# Altium PCB PCB5_制版20140402.PcbDoc (part 5 of 5)
Units mil, origin at the board's own origin, x right, y up, seen from the top; angles counter-clockwise.
Board outline 4763.78 x 6574.87 mil, 6 copper layers (Top Layer, GND, ADDR, DATA, VCC, Bottom Layer), stack 80.842 mil thick; 385 components, 444 nets, 1700 pads, 1572 vias.
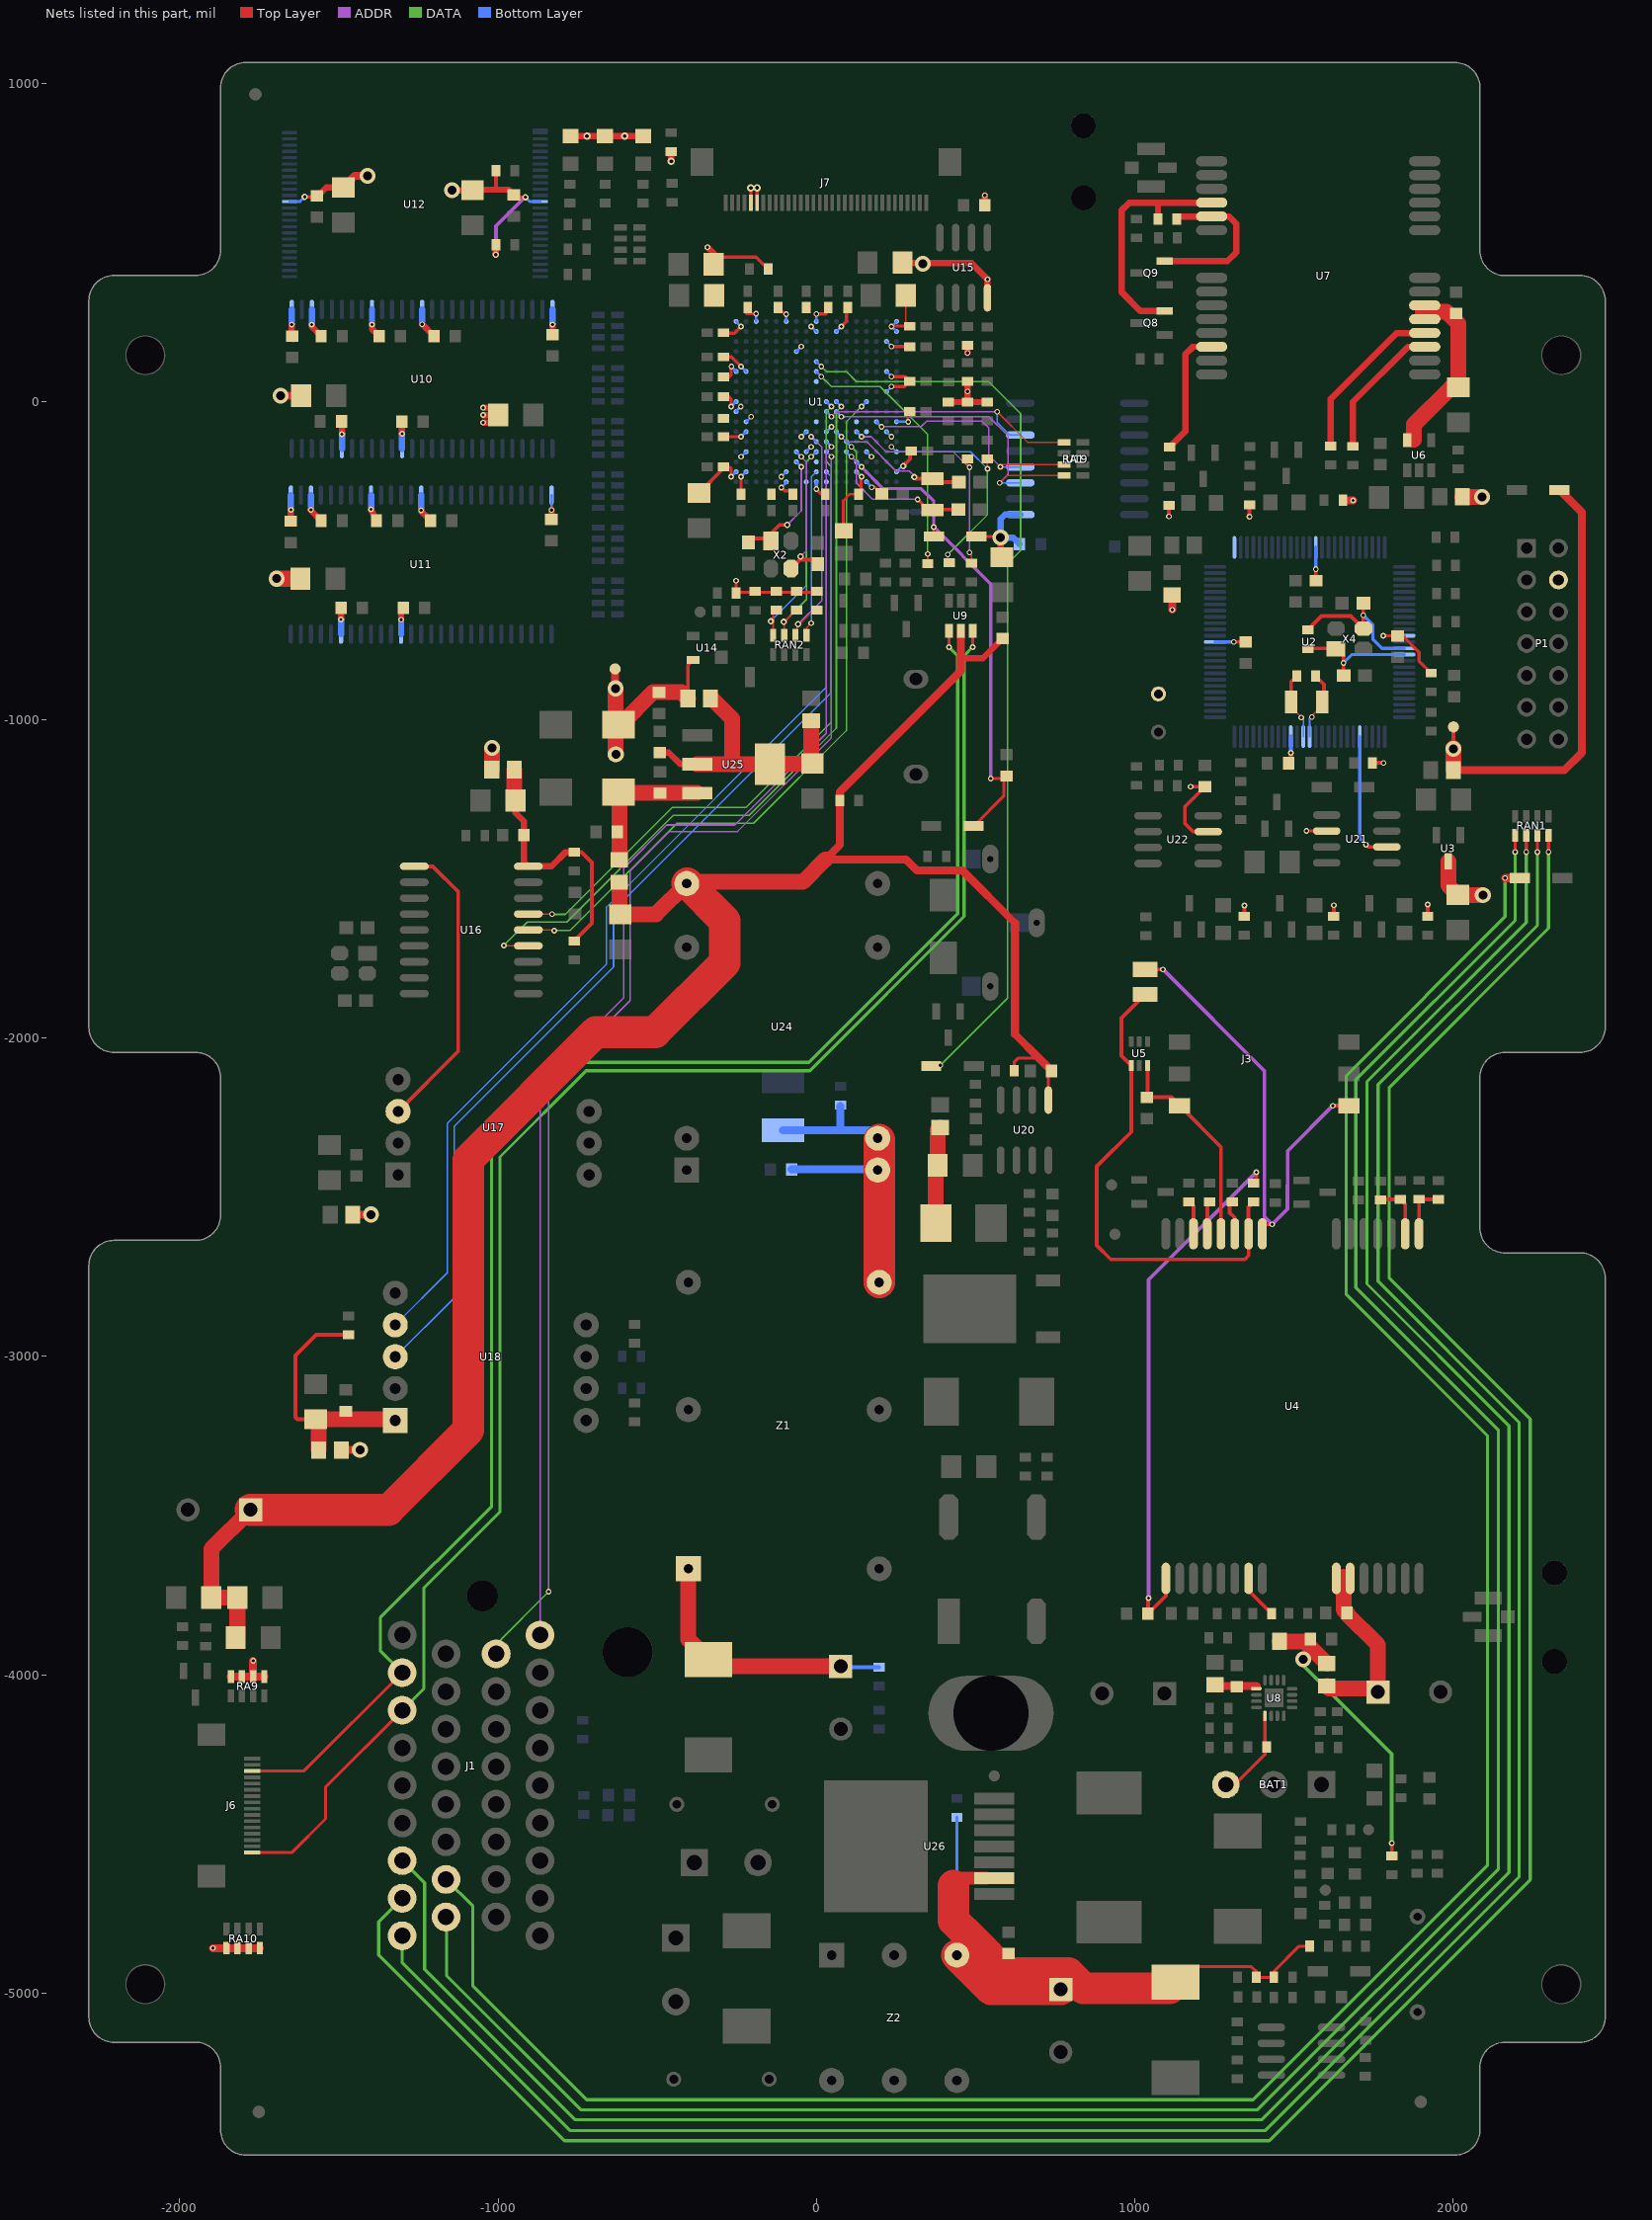
[diagram p9: the nets of this part, all layers, seen from the top]

## Via types
v1: diameter 18, hole 10, Top Layer to Bottom Layer, 1138 vias
v2: diameter 18, hole 10, Top Layer to Bottom Layer, tented both sides, 290 vias
v3: diameter 20, hole 10, Top Layer to Bottom Layer, tented both sides, 89 vias
v4: diameter 50, hole 28, Top Layer to Bottom Layer, 43 vias
v5: diameter 20, hole 10, Top Layer to Bottom Layer, 7 vias
v6: diameter 23.62, hole 11.81, Top Layer to Bottom Layer, tented both sides, 5 vias

## Nets (pads, with @x,y where several pads share a name; then routed paths per layer and width w, separated by ;. In a path a pad name is that pad's centre, name@x,y a point inside that pad or via, vN(x,y) a via of type N, cw(c..) or ccw(c..) an arc to the next point about the centre after c; other vN are vias at no path point) (continued)
RXD0: J1.25 U1.K14 | length 4345.1
  ADDR w5: v1(-841,-3739) -841,-2138 -585,-1882 -585,-1474 -461.51,-1350.51 -247.51,-1350.51 47.24,-1055.76 v2(47.24,-173.23)
  DATA w5: J1.25@-1005.88,-3934.49 -1005.88,-3903.88 v1(-841,-3739)
  Bottom Layer w5: U1.K14@31.5,-157.48 v2(47.24,-173.23)
RXD1: U1.K17 U18.4 | length 3210.1
  Bottom Layer w5: U18.4@-1323,-2901 -1159,-2737 -1159,-2267.28 -659,-1767.28 -659,-1587.66 31.5,-897.16 U1.K17@31.5,-251.97
RXD2: U1.J15
RXDG: R40.1 U7.4 | length 528.9
  Top Layer w20: R40.1@1616,-139.47 1616,8 1823.72,215.72 U7.4@1911.4,215.72
RXDM: R19.2 R21.1 U4.2 | length 176.6
  Top Layer w12: R21.1@1772.76,-2507.76 1773.76,-2506.76 R19.2@1834.76,-2506.76 1850.19,-2522.19 U4.2@1850.19,-2614.55
SGND0: C85.2 CM4.2 R119.1 U24.2 U24.3 Z1.6 | length 1097.1
  Top Layer w100: Z1.6@197.76,-2767.23 U24.3@197.76,-2319.23
  Bottom Layer w25: CM4.2@-105,-2289.77 168.3,-2289.77 U24.3@192.76,-2314.23 ; C85.2@-77.78,-2412.23 190.76,-2412.23 U24.2@192.76,-2414.23 ; 76,-2283.77 R119.1@76,-2213.94
SIM_CLK: R34.1 U4.12 | length 103.1
  Top Layer w12: U4.12@1228.14,-2614.55 1228.14,-2519.37 R34.1@1233.76,-2513.76
SIM_DATA: R33.1 U4.10 | length 108
  Top Layer w12: R33.1@1295.38,-2514.53 1299,-2518.15 1299,-2548 1314.76,-2563.76 U4.10@1314.76,-2614.55
SIM_GND: J3.5 J3.8 U4.8 | length 1589.1
  Top Layer w12: J3.8@1032.99,-1783.88 v1(1088.88,-1783.88) ; U4.8@1402,-2645 1401.37,-2644.37 U4.8@1401.37,-2614.55 1401.37,-2589.63 1406,-2585 v1(1432,-2585) ; v1(1622.77,-2212.23) J3.5@1672.76,-2212.23
  ADDR w12: v1(1088.88,-1783.88) 1408,-2103 1408,-2561 v1(1432,-2585) 1480,-2537 1480,-2463.64 1481,-2462.64 1481,-2354 v1(1622.77,-2212.23)
SIM_PRE: J3.4 R32.2 U4.9 U5.1 | length 1552.2
  Top Layer w12: J3.4@1032.99,-1862.62 959,-1936.61 959,-2055.46 U5.1@989.17,-2085.63 989.17,-2294.83 881,-2403 881,-2651 925,-2695 1346,-2695 1358.06,-2682.94 U4.9@1358.06,-2614.55 1357.57,-2614.05 1357.57,-2531.29 R32.2@1374.33,-2514.53
SIM_RST: R35.1 U4.13 | length 103.4
  Top Layer w12: R35.1@1173.76,-2515.76 1184.83,-2526.83 U4.13@1184.83,-2614.55
SIM_VDD: C41.1 J3.1 U4.11 U5.3 | length 668.3
  Top Layer w12: C41.1@1038.76,-2185.76 1114.8,-2185.76 J3.1@1141.26,-2212.23 1271.45,-2342.42 U4.11@1271.45,-2614.55 ; C41.1@1040.35,-2184.17 U5.3@1040.35,-2085.63
SPICLK1/GPG7: RA1.8 U1.L10 U19.3 | length 997.6
  Top Layer w5: v1(576,-255) 598.5,-232.5 RA1.8@770.31,-232.5
  ADDR w5: v2(78.74,-47.24) 542.24,-47.24 602,-107 602,-229 v1(576,-255)
  Bottom Layer w5: v1(576,-255) U19.3@640.87,-255
  Bottom Layer w8: U1.L10@62.99,-31.5 v2(78.74,-47.24)
SPICLK/GPE13: U1.L9 U16.13 | length 2444.5
  Top Layer w5: v1(-982,-1709) -981,-1710 U16.13@-904.87,-1710
  DATA w5: v1(-982,-1709) -908,-1635 -784,-1635 -449,-1300 -211,-1300 62.99,-1026.01 62.99,-31.5 v2(78.74,-15.75)
  Bottom Layer w8: U1.L9@62.99,0 v2(78.74,-15.75)
SPIMISO/GPE11: U1.K9 U16.15 | length 2229.2
  Top Layer w5: U16.15@-904.87,-1610 v1(-830,-1610)
  DATA w5: v1(-830,-1610) -828.99,-1611.01 -788.01,-1611.01 -452,-1275 -220.85,-1275 47,-1007.15 47,-203.75 31.25,-188 31.25,-31.74 v2(47.24,-15.75)
  Bottom Layer w8: U1.K9@31.5,0 v2(47.24,-15.75)
SPIMOSI/GPE12: U1.P9 U16.14 | length 2320.1
  Top Layer w5: U16.14@-904.87,-1660 -825,-1660 v1(-823,-1662)
  DATA w5: v1(-823,-1662) -774.44,-1662 -437.44,-1325 -197,-1325 94.24,-1033.76 94.24,-63.24 v2(141.73,-15.75)
  Bottom Layer w8: v2(141.73,-15.75) U1.P9@157.48,0
SPISI1/GPG6: RA1.7 U1.R11 U19.4 | length 771.8
  Top Layer w5: v1(578,-205) 585.5,-197.5 RA1.7@770.31,-197.5
  ADDR w5: v2(204.73,-78.74) 329.26,-78.74 347,-61 521,-61 542,-82 542,-169 v1(578,-205)
  Bottom Layer w5: v1(578,-205) U19.4@640.87,-205
  Bottom Layer w8: U1.R11@188.98,-62.99 v2(204.73,-78.74)
SPISO1/GPG5: RA1.5 U1.K10 U19.6 | length 914
  Top Layer w5: v1(568,-32) 663.5,-127.5 RA1.5@770.31,-127.5
  ADDR w5: v2(47.24,-47.24) 63.24,-31.25 v1@568,-31.25
  Bottom Layer w5: v1(568,-32) 568,-65 608,-105 U19.6@640.87,-105
  Bottom Layer w8: U1.K10@31.5,-31.5 v2(47.24,-47.24)
STATUS: R29.1 U4.22 | length 102.1
  Top Layer w12: U4.22@1358.06,-3736.01 R29.1@1430.28,-3808.23
SYSON: U2.51
TCK: R72.2 RAN2.6 U1.J13 | length 763.8
  Top Layer w5: RAN2.6@-65.74,-734.23 v5(-57,-699) ; v5@-52,-700 -6.81,-654.81 R72.2@1.76,-654.81
  ADDR w5: v5(-57,-699) 16.76,-625.24 16.76,-142.74 v2(-15.75,-110.24)
  Bottom Layer w8: v2(-15.75,-110.24) U1.J13@0,-125.98
TDI: R74.2 RAN2.8 U1.H17 | length 567.9
  Top Layer w5: RAN2.8@-135.74,-734.23 -135.74,-664.31 R74.2@-126.24,-654.81
  Bottom Layer w5: v5(-143.24,-690.23) -31.5,-578.48 U1.H17@-31.5,-251.97
TDO: RAN2.5 U1.J16 | length 526.5
  Top Layer w5: RAN2.5@-30.74,-734.23 -30.74,-710.74 v1(-16,-696)
  Bottom Layer w5: v1(-16,-696) -16,-236.47 U1.J16@0,-220.47
TMS: R73.2 RAN2.7 U1.J14 | length 672.1
  Top Layer w5: RAN2.7@-100.74,-734.23 -100.74,-693.31 R73.2@-62.24,-654.81
  DATA w5: v5(-102,-692) -31.25,-621.25 -31.25,-188.73 v2(-15.75,-173.23)
  Bottom Layer w8: v2(-15.75,-173.23) U1.J14@0,-157.48
TOUT0/GPB0: R68.1 U1.J6 | length 831.4
  Top Layer w5: R68.1@350,-508.47 v1(350,-479)
  DATA w5: v2(15.75,78.74) 47.25,47.24 200.2,47.24 349.76,-102.31 v1@349.76,-473
  Bottom Layer w8: U1.J6@0,94.49 v2(15.75,78.74)
TOUT1/GPB1: D8.1 U1.J5 | length 2911.2
  Top Layer w5: D8.1@340.07,-2085 v1(390,-2085)
  DATA w5: v2(15.75,110.24) 31.5,94.49 94.49,94.49 126.24,62.74 541.26,62.74 642,-38 642,-468 601,-509 601,-1874 v1(390,-2085)
  Bottom Layer w8: U1.J5@0,125.99 v2(15.75,110.24)
TOUT2/GPB2: U1.J7
TS: BAT1.3 RN8.1 U8.1 | length 283
  Top Layer w10: BAT1.3@1286.76,-4345.23 1314.77,-4345.23 1409.23,-4250.77 U8.1@1409.23,-4129.33
TXCAN: U16.1 U17.3 | length 939.6
  Top Layer w12: U17.3@-1314,-2230 -1125,-2041 -1125,-1540 -1205,-1460 U16.1@-1263.13,-1460
TXD0: J1.34 U1.K13 | length 4260.5
  ADDR w5: J1.34@-868.08,-3875.43 -868.08,-2136.08 -605.51,-1873.51 -605.51,-1465.51 -470,-1330 -256,-1330 31.5,-1042.5 31.5,-157.48 v2(47.24,-141.73)
  Bottom Layer w8: U1.K13@31.5,-125.98 v2(47.24,-141.73)
TXD1: U1.K16 U18.3 | length 3354.4
  Bottom Layer w5: U18.3@-1323,-3001 -1138,-2816 -1138,-2277 -637,-1776 -637,-1598 47,-914 47,-235.98 U1.K16@31.5,-220.47
TXD2: U1.J11
TXDG: R39.1 U7.3@1911.4,172.42 | length 436.7
  Top Layer w20: R39.1@1686,-140.47 1686,-1 1859.42,172.42 U7.3@1911.4,172.42
TXDM: R20.2 R22.1 U4.1 | length 169.1
  Top Layer w12: U4.1@1893.5,-2614.55 1893.5,-2506.02 1894.24,-2506.76 R22.1@1953.76,-2506.76
UPLLCAP: C17.1 U1.P17 | length 54.8
  Top Layer w10: v2(173.76,-269.28) 183.99,-269.28 C17.1@199.7,-285
  Bottom Layer w8: U1.P17@157.48,-251.97 v2@173.25,-267.74
USB1_N: J1.7 J6.16 U9.6 | length 5261.2
  Top Layer w10: J6.16@-1773.02,-4558.64 -1647.64,-4558.64 -1542,-4453 -1542,-4352.5 J1.7@-1301.16,-4111.66 ; v1(491.4,-771) U9.6@491.4,-720.24
  DATA w10: J1.7@-1301.16,-4111.66 -1233,-4043.5 -1233,-3727 -994,-3488 -994,-2373 -723,-2102 -20.72,-2102 464,-1617.28 464,-798.4 v1(491.4,-771)
USB1_P: J1.8 J6.3 U9.4 | length 5080.8
  Top Layer w10: J6.3@-1773.02,-4302.73 -1610.34,-4302.73 J1.8@-1301.16,-3993.54 ; v1(416.6,-771) U9.4@416.6,-720.24
  DATA w10: J1.8@-1301.16,-3993.54 -1370,-3924.7 -1370,-3821 -1020,-3471 -1020,-2362.23 -733.77,-2076 -23,-2076 444,-1609 444,-798.4 v1(416.6,-771)
USBD1_N: R56.1 R57.1 U1.N12 | length 723.6
  Top Layer w5: v1@475,-200 R56.1@475,-179.53 ; v1(481,-474) 487,-480 R57.1@487,-507.47
  ADDR w5: v2(141.73,-110.24) 172.24,-110.24 220,-158 431,-158 v1@479,-206 ; v1(481,-474) v1(481,-206)
  Bottom Layer w8: U1.N12@125.99,-94.49 v2(141.73,-110.24)
USBD1_P: R58.1 R59.1 U1.U14 | length 707.7
  Top Layer w5: R58.1@413,-506.47 v1(413,-480) ; v1(537.76,-210.76) R59.1@537.76,-180.53
  DATA w5: v1(413,-480) 537.76,-355.24 v1(537.76,-210.76)
  Bottom Layer w5: v2(236.22,-141.73) U1.U14@251.97,-157.48 484.48,-157.48 v1(537.76,-210.76)
USBH0_N: U1.P12
USBH0_P: U1.N11
V3.3: C88.1 CP25.1 LR15.2 LR18.1 U25.2 U25.4 | length 861.9
  Top Layer w20: C88.1@-492,-1102.46 -463.54,-1102.46 -426.77,-1139.23 U25.2@-374.42,-1139.23
  Top Layer w50: U25.2@-374.42,-1139.23 -259.77,-1139.23 ; LR18.1@-324.77,-936.23 -265,-996 -265,-1134 -259.77,-1139.23 ; LR15.2@-16.24,-1002.66 -16.24,-1133.11 CP25.1@-12.24,-1137.11 -143.95,-1137.11 U25.4@-146.07,-1139.23 -259.77,-1139.23
V485: C73.1 CP20.1 LR10.2 R89.1 U18.1 | length 807.1
  Top Layer w12: CP20.1@-1573,-3197.12 -1630.88,-3197.12 -1637,-3191 -1637,-2997 -1571.53,-2931.53 R89.1@-1470,-2931.53
  Top Layer w50: LR10.2@-1563.43,-3294 -1563.43,-3206.68 CP20.1@-1573,-3197.12 -1326.88,-3197.12 U18.1@-1323,-3201
V_ANT: Q9.2 R44.2 U7.19 | length 514.2
  Top Layer w20: Q9.2@1094.34,441.4 1291.4,441.4 1319,469 1319,559 1296.13,581.87 U7.19@1242.11,581.87 R44.2@1140.39,581.87
VCAN: C68.1 CP18.1 LR8.2 R85.2 R86.1 U16.18 | length 818.4
  Top Layer w12: R86.1@-761,-1694.47 -705,-1638.47 -705,-1447.84 -737.36,-1415.47 R85.2@-760,-1415.47
  Top Layer w20: CP18.1@-944.88,-1253 -944.88,-1292.12 -918.54,-1318.46 C68.1@-918.54,-1362 -918.54,-1446.33 U16.18@-904.87,-1460 -832,-1460 -787.47,-1415.47 R85.2@-760,-1415.47
  Top Layer w50: CP18.1@-948.57,-1249.32 LR8.2@-948.57,-1156
VCC: C30.1 C32.1 C33.1 C35.1 C82.1 D2.2 LR2.1 LR11.2 R4.1 R10.1 R24.2 R25.2 R26.2 R36.2 R37.2 R43.2 S2.2 TP1.1 U2.16 U2.38 U2.64 U2.87 U21.2 U22.7 | length 2588.8
  Top Layer w10: v1(1540,-1349) U21.2@1603.51,-1349 ; v1(1781.54,-735.54) 1842.53,-735.54 1894,-787.01 1894,-814.94 R4.1@1931.76,-852.7
  Top Layer w12: v1(1108,-361) R36.2@1108,-325.53 ; v1(1176,-1210) 1176.31,-1209.69 C82.1@1220.76,-1209.69 1158,-1272.45 1158,-1326 1183.23,-1351.23 U22.7@1231.25,-1351.23 ; v1(1311.77,-755.23) C33.1@1333.23,-755.23 ; R26.2@1344.76,-1617.23 v1(1344.76,-1583.24) ; v1(1361,-362) R37.2@1361,-324.53 ; C30.1@1483.22,-1132.23 1490.7,-1124.75 v1(1490.7,-1103.7) ; C35.1@1569.44,-561.98 v1(1569.44,-526.56) ; R25.2@1625.76,-1617.23 v1(1625.76,-1582.24) ; R10.1@1747.53,-1135 v1(1782,-1135) ; R24.2@1920.76,-1617.23 v1(1920.76,-1580.24) ; v4@2001.43,-1088.43 2002,-1087.87 TP1.1@2002,-1022
  Top Layer w25: v1(1118,-654) LR11.2@1118,-607.43 ; R43.2@1660.53,-310 v1(1686.5,-310) ; LR2.1@2001.43,-1158 2350,-1158 2405,-1103 2405,-348.07 D2.2@2334.93,-278 D2.2@2332.28,-275.36
  Top Layer w50: LR2.1@2001.43,-1158 v4(2001.43,-1091) v4@2001.43,-1088.43
  Bottom Layer w10: v1(1781.54,-735.54) U2.87@1847,-735.54
  Bottom Layer w12: U2.38@1252.51,-755.23 v1(1311.77,-755.23) ; v1(1490.7,-1103.7) U2.16@1490.7,-1052.47 ; v1(1569.44,-526.56) U2.64@1569.44,-457.98
VCC5V: C44.1 LR20.2 U8.13 | length 119.5
  Top Layer w25: LR20.2@1265.76,-4030.66 1271.14,-4036.05 1383,-4036.05
VCC24V: C89.1 CV4.1 D13.2 R113.2 R116.2 R120.2 RN13.1 U26.2 Z2.3 | length 2336.9
  Top Layer w10: D13.2@1128.76,-4966.23 1177.98,-4917 1366,-4917 1382.53,-4933.53 R120.2@1382.53,-4951 R116.2@1437.47,-4951 1437.47,-4932.53 1517,-4853 R113.2@1549.47,-4853
  Top Layer w40: 431,-4663 454.77,-4639.23 U26.2@534,-4639.23
  Top Layer w100: 431,-4663 431,-4772 490.92,-4831.92 597,-4938 792,-4938 839.23,-4985.23 1109.76,-4985.23 D13.2@1128.76,-4966.23 ; Z2.3@441.61,-4881.23 549.18,-4988.8 CV4.1@767.76,-4988.8
  Bottom Layer w10: Z2.3@441.61,-4881.23 441.76,-4881.08 RN13.1@441.76,-4447.76
VCC_RF: Q8.2 R44.1 U7.18 | length 751.5
  Top Layer w20: R44.1@1073.47,574 1073.47,625.17 ; Q8.2@1085.34,284.4 1018.6,284.4 960,343 960,602 983.17,625.17 1073.47,625.17 ; U7.18@1242.11,625.17 1073.47,625.17
VDD1.3V: C1.1 C2.1 C9.1 C10.1 C11.1 C12.1 C13.1 C14.1 C24.1 C25.1 C26.1 C27.1 C28.1 CP1.1 CP3.1 CP6.1 LR14.2 U1.A1 U1.A6 U1.A10 U1.A16 U1.B11 U1.F1 U1.F16 U1.G4 U1.J2 U1.J17 U1.L2 U1.M13 U1.N16 U1.T6 U1.T8 U1.U1 U1.U2 U1.U11 | length 1378.4
  Top Layer w5: CP6.1@280.76,333.77 280.76,249.82 C25.1@293.86,236.72
  Top Layer w8: LR14.2@84.76,-419.79 84.76,-311.24 105.31,-290.69 C1.1@132.76,-290.69 ; v1@287.86,-59.13 C14.1@287.86,-31.51
  Top Layer w10: C11.1@-274.03,77.54 -267.48,84.1 v2@-267.48,110 ; C28.1@-274.03,215 -257.44,215 v2(-236.22,236.22) ; -273.62,-204.72 -267.5,-210.85 v2(-267.5,-236) v2@-267.5,-236.41 ; C9.1@-120.5,295.41 -100.09,275.01 v2(-94.49,275.01) ; v2(0,-275) 15.41,-290.41 C2.1@28,-290.41 ; v2(78.74,236.22) 94.5,251.99 C27.1@94.5,279.41 ; C1.1@140.75,-280.28 140.75,-237.21 v2(141.73,-236.22) ; v2(236.22,47.24) 277.12,47.24 C24.1@293.86,63.98 279.09,78.74 v2(236.22,78.74) ; v2@237.2,237.2 275.59,237.2
  Top Layer w12: CP1.1@-369,-286.88 -291.65,-209.53 C13.1@-291.65,-204.72
  DATA w5: v2(110.24,-141.73) 126,-157.5 126,-220.49 v2(141.73,-236.22)
  Bottom Layer w8: v2(-267.5,-236) U1.A16@-251.97,-220.47 ; v2(-266.73,110.24) -251.97,95.47 U1.A6@-251.97,94.49 ; U1.A10@-251.97,-31.5 -251.97,-29.93 v2(-237.62,-15.58) ; U1.A1@-251.97,251.97 v2(-236.22,236.22) ; U1.B11@-220.47,-62.99 v2(-204.72,-47.24) ; v2(-110.24,-236.22) U1.F16@-94.49,-220.47 ; U1.F1@-94.49,251.97 v2(-94.49,275.01) ; U1.G4@-62.99,157.48 v2(-47.24,173.23) ; v2(-15.75,236.22) U1.J2@0,220.47 ; U1.L2@62.99,220.47 v2(78.74,236.22) ; U1.M13@94.49,-125.98 v2(110.24,-141.73) ; U1.N16@125.99,-220.47 v2(141.73,-236.22) ; U1.T8@220.47,31.5 v2(236.22,47.24) ; U1.T6@220.47,94.49 v2(236.22,78.74) ; U1.U11@251.97,-62.99 v1@288.76,-62.99 ; U1.U2@251.97,220.47 v2(236.22,236.22) U1.U1@251.97,251.97
  Bottom Layer w10: v2(0,-275) U1.J17@0,-251.97
  other v1: 288.76,-63.23
VDD3V3: B7.1 B8.1 B9.1 C3.1 C4.1 C5.1 C6.1 C7.1 C20.1 C21.1 C22.1 C23.1 C48.1 C49.1 C50.1 C51.1 C52.1 C53.1 C54.1 C55.1 C56.1 C57.1 C58.1 C59.1 C60.1 C61.1 C62.1 C63.1 C64.1 C67.1 C77.1 CP2.1 CP5.1 CP11.1 CP12.1 CP13.1 CP14.1 CP15.1 CP22.1 CT1.1 D4.1 J7.28 J7.29 LR8.1 LR9.1 LR10.1 LR18.2 R1.1 R15.1 R16.1 R17.1 R63.1 R64.1 R70.1 R72.1 R73.1 R74.1 R75.1 R80.1 R81.1 RA9.1 RA9.2 RA9.3 RA9.4 RA10.1 RA10.2 RA10.3 RA10.4 RN10.1 TP6.1 U1.A9 U1.B6 U1.B12 U1.B14 U1.B16 U1.C1 U1.F17 U1.H12 U1.H14 U1.J1 U1.K12 U1.P14 U1.T3 U1.T12 U1.U16 U10.1 U10.3 U10.9 U10.14 U10.27 U10.43 U10.49 U11.1 U11.3 U11.9 U11.14 U11.27 U11.43 U11.49 U12.12 U12.37 U14.4 U15.8 U19.1 | length 5940.2
  Top Layer w10: v3(-1607.26,643.27) C62.1@-1569.86,643.27 ; C63.1@-950.76,644.25 -948.79,642.28 v3(-914.34,642.28) ; LR18.2@-403.43,-933 -403.43,-827.54 U14.4@-387.29,-811.4 ; CP2.1@-323.12,431.72 -301.04,453.8 -188.8,453.8 R1.1@-151.71,416.72 ; C7.1@-274.03,-110.46 -273.81,-110.24 v2(-236.22,-110.24) ; C4.1@-274.03,15.42 -268.01,9.39 v2(-268.01,-15.46) ; C5.1@-274.03,140.54 -266.52,140.54 v2(-236.22,110.24) ; R70.1@-252.47,-602 v1(-252.47,-562.47) ; R70.1@-249.28,-598.81 -1.3,-598.81 R72.1@1.76,-595.76 ; -236.22,-272.64 v2(-236.22,-236.22) ; -218.61,276.52 v2(-188.98,276.52) ; J7.29@-205.84,624.44 v6(-205.84,671.65) ; v2(-110.24,-269.68) -99.69,-280.23 C23.1@-81.41,-280.23 ; v2(0,275.5) 29.59,275.5 C22.1@33.5,279.41 ; v2(236.22,173.23) C21.1@276.57,173.23 ; D4.1@502.93,-424 v4@559,-424
  Top Layer w12: R63.1@-1006.86,725.94 -1006.86,671.81 -1001.94,666.89 ; J7.28@-186.15,624.44 v6@-186.15,668.7 ; v3(272.76,-202.28) 294.17,-180.88 C20.1@294.17,-154.23
  Top Layer w20: C56.1@-1650.94,-374.98 v2(-1650.94,-339.55) ; v2(-1647.94,242.45) -1647.94,200.91 C54.1@-1643.5,196.46 ; v2(-1587.95,-339.54) -1587.95,-342.01 C61.1@-1555.96,-374 ; v2(-1584.95,242.46) -1584.95,234.99 C53.1@-1555.96,206 ; C62.1@-1569.86,643.27 -1540.01,673.12 CP15.1@-1486,673.12 ; v2(-1493.46,-684.03) C57.1@-1493.46,-648.5 ; v2(-1490.46,-101.97) C49.1@-1490.46,-63.57 ; v2@-1398.6,-339.02 C60.1@-1381.96,-374 C60.1@-1384.28,-374 ; v2(-1395.98,242.48) -1395.98,228.02 C52.1@-1373.96,206 ; v2(-1304.49,-684.99) C58.1@-1304.49,-654.53 ; C50.1@-1301.96,-62.5 -1301.49,-62.97 v2(-1301.49,-100.99) ; v2(-1241.5,-341) -1241.5,-344.46 C59.1@-1211.96,-374 ; v2(-1238.5,243) -1237.96,243 C51.1@-1200.96,206 ; v4(-1144.12,664.12) CP14.1@-1080,664.12 ; CP14.1@-1080.68,665.9 -967.49,665.9 C63.1@-950.76,649.17 ; v2(-1046.5,-66) CP11.1@-1023.61,-66 ; v2(-1046.5,-42) CP11.1@-999.61,-42 ; v2(-1046.5,-19) CP11.1@-1022.61,-19 ; v3(-1006.86,462.16) R64.1@-1006.86,492.68 ; C55.1@-832.5,-370.54 v2@-832.5,-339.17 ; v2@-832.48,-340.45 v2(-832.05,-340.45) ; v2@-829.05,234.98 v2(-829.05,242.55) ; B7.1@-772.64,834.57 v6(-720.45,834.57) B9.1@-664.34,834.57 v6(-602.34,834.57) B8.1@-544.27,834.57 ; v6(-455.68,755.47) RN10.1@-455.68,785.98 ; v1(-342,485) -323.12,466.12 CP2.1@-323.12,431.72 ; CP5.1@273.76,445.77 284.53,435 487,435 v1(537.76,384.24) U15.8@537.76,326.28 ; R16.1@414.76,-1.47 R17.1@475,-1.47 ; R80.1@475,63.24 v1(475,32) R17.1@475,-1.47 ; v1(475,153) R81.1@475,177.24 ; C67.1@529.22,616.77 v1(529.22,648.22) ; R15.1@536.76,-1.47 R17.1@475,-1.47 ; CP22.1@579,-484.88 v4(579,-427)